# Altium PCB Mutiple_V1.PcbDoc (part 2 of 3) (continued)
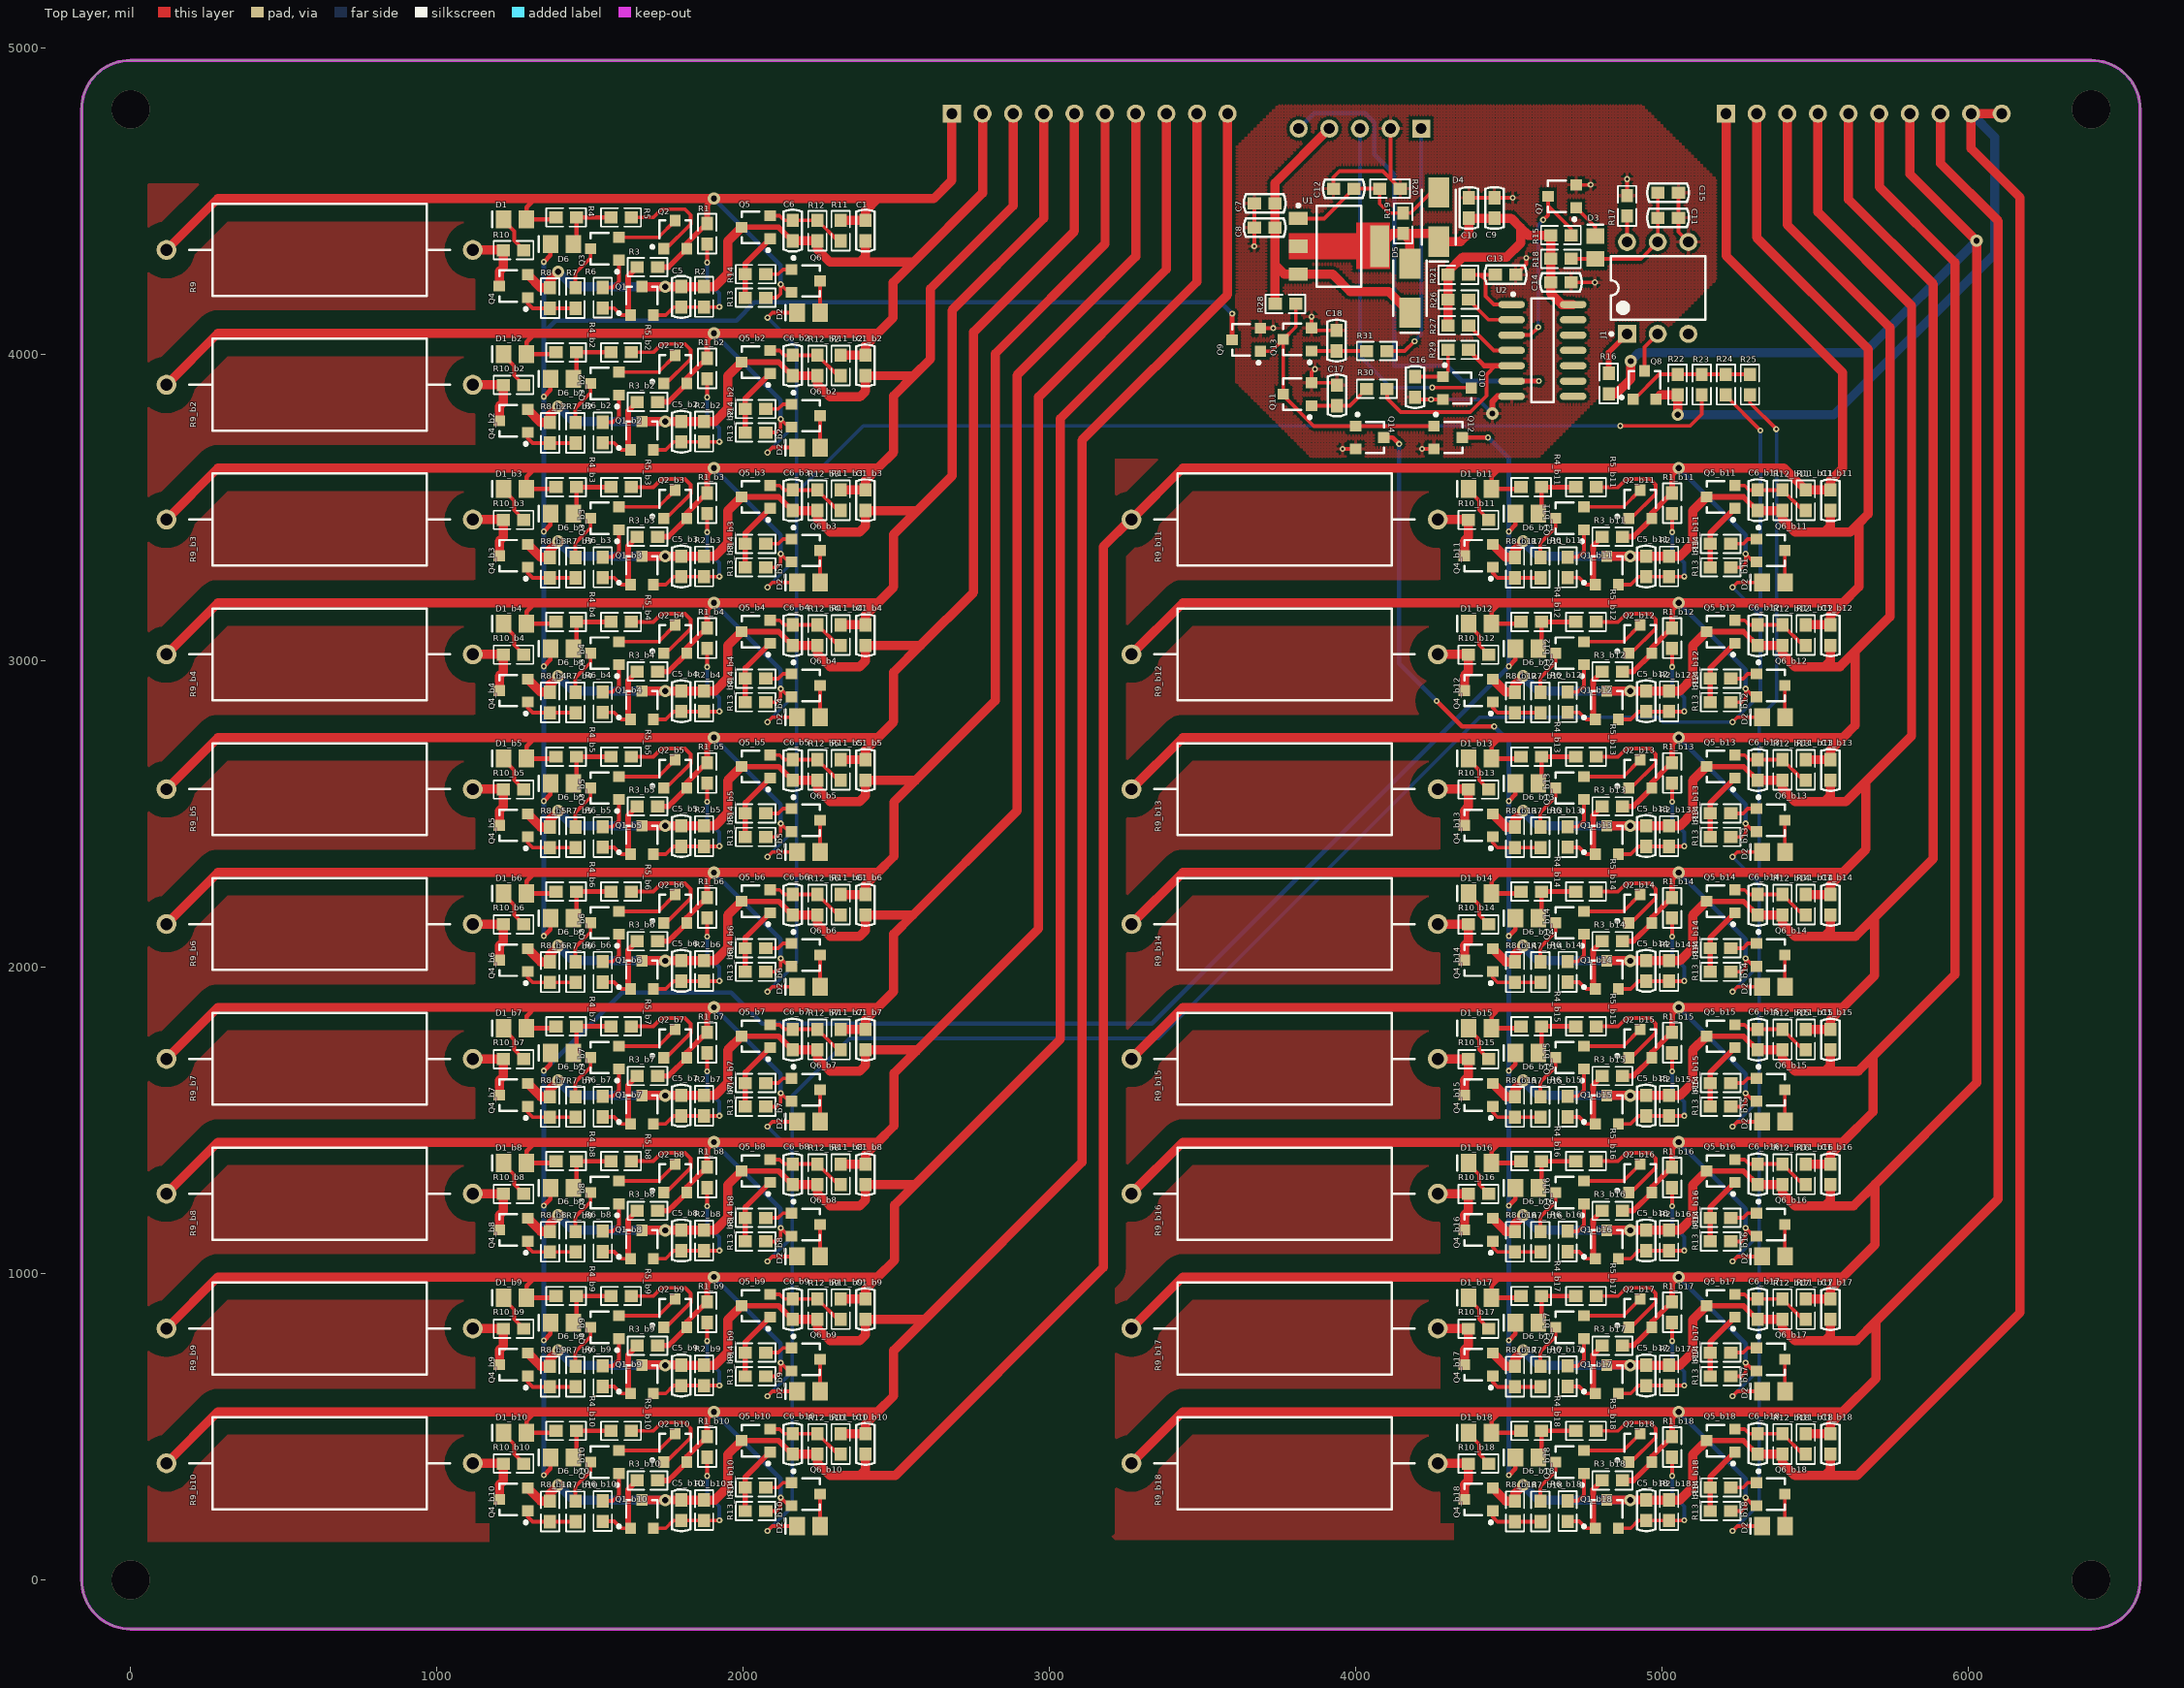
[diagram p0: Top Layer view]
## Nets (pads, with @x,y where several pads share a name; then routed paths per layer and width w, separated by ;. In a path a pad name is that pad's centre, name@x,y a point inside that pad or via, vN(x,y) a via of type N, cw(c..) or ccw(c..) an arc to the next point about the centre after c; other vN are vias at no path point) (continued)
  Top Layer w15: 1321,549 1292.4,520.4 D1_b10.1@1292.4,481 1382.54,481 R4_b10.1@1388.54,487
  Top Layer w18: Q1_b9.3@1669,701.26 v2@1745,701.26 ; R3_b10.2@1720.46,325 1755.66,325 Q2_b10.2@1815.4,384.74 1815.4,402.15 1880.72,467.46 R1_b10.2@1882,467.46 1882,527 v2(1904,549) ; Q5_b9.3@1994.74,895 2115.26,895 2159.72,850.54 C6_b9.1@2161,850.54
  Top Layer w30: R9_b10.2@117,381 285,549 1321,549 v2(1904,549) 2439,549 ; Q4_b9.2@1296.26,740.4 1339.2,697.46 R8_b9.1@1369,697.46 1369,723 v2(1396,750) ; Q1_b9.3@1669,701.26 1669.2,701.46 C5_b9.1@1798,701.46 1798.2,701.26 1907.33,701.26 1949,742.93 1949,849.26 Q5_b9.3@1994.74,895 ; C6_b9.1@2161,850.54 R12_b9.1@2242,850.54 2242,822 2283,781 2380,781 2399,800 C1_b9.1@2399,850.54 2592.54,850.54 ; R11_b10.2@2318,477.46 C1_b10.2@2399,477.46 2399,509 2439,549 ; P1.10@3581,4786 3581,4195.21 3105.4,3719.6 3105.4,1363.4 2592.54,850.54 ; 2439,549 2491,601 2491,749 2592.54,850.54
  Bottom Layer w15: v2(1904,549) 2122,331 v1(2122,269)
  Bottom Layer w18: v2@1740,701.26 1745.26,701.26 v2(1745,701)
  Bottom Layer w30: v2(1396,750) 1444.74,701.26 1739.74,701.26 v2@1740,701
IN_A10: C1_b10.1 C1_b11.2 C5_b10.1 C6_b10.1 D1_b11.1 P2.1 Q1_b10.3 Q2_b11.2 Q4_b10.2 Q5_b10.3 Q6_b11.2 R1_b11.2 R2_b10.1 R3_b11.2 R4_b11.1 R8_b10.1 R9_b11.2 R11_b11.2 R12_b10.1 R13_b11.2 | length 9939.2
  Top Layer w12: R13_b11.2@5223.46,3305 5259,3305 5272,3318 v1(5272,3349) 5298.4,3322.6 Q6_b11.2@5307.74,3322.6
  Top Layer w15: 4471,3629 4442.4,3600.4 D1_b11.1@4442.4,3561 4532.54,3561 R4_b11.1@4538.54,3567
  Top Layer w18: Q1_b10.3@1669,261.26 v2@1745,261.26 ; Q5_b10.3@1994.74,455 2115.26,455 2159.72,410.54 C6_b10.1@2161,410.54 ; R3_b11.2@4870.46,3405 4905.66,3405 Q2_b11.2@4965.4,3464.74 4965.4,3482.15 5030.72,3547.46 R1_b11.2@5032,3547.46 5032,3607 v2(5054,3629)
  Top Layer w30: Q4_b10.2@1296.26,300.4 1339.2,257.46 R8_b10.1@1369,257.46 1369,283 v2(1396,310) ; Q1_b10.3@1669,261.26 1669.2,261.46 C5_b10.1@1798,261.46 1798.2,261.26 1907.33,261.26 1949,302.93 1949,409.26 Q5_b10.3@1994.74,455 ; C6_b10.1@2161,410.54 R12_b10.1@2242,410.54 2242,382 2283,341 2380,341 ; C1_b10.1@2399,410.54 2399,360 2380,341 ; P2.1@5208,4786 5208,4322 5589,3941 5589,3629 5549,3589 C1_b11.2@5549,3557.46 R11_b11.2@5468,3557.46 5468,3558.16 5397.16,3629 v2(5054,3629) 4471,3629 3435,3629 R9_b11.2@3267,3461 3263,3461 3175,3373 3175,1020 2496,341 2380,341
  Bottom Layer w15: v2(5054,3629) 5272,3411 v1(5272,3349)
  Bottom Layer w18: v2@1740,261.26 1745.26,261.26 v2(1745,261)
  Bottom Layer w30: v2(1396,310) 1444.74,261.26 1739.74,261.26 v2@1740,261
IN_A11: C1_b11.1 C1_b12.2 C5_b11.1 C6_b11.1 D1_b12.1 P2.2 Q1_b11.3 Q2_b12.2 Q4_b11.2 Q5_b11.3 Q6_b12.2 R1_b12.2 R2_b11.1 R3_b12.2 R4_b12.1 R8_b11.1 R9_b12.2 R11_b12.2 R12_b11.1 R13_b12.2 | length 7063
  Top Layer w12: R13_b12.2@5223.46,2865 5259,2865 5272,2878 v1(5272,2909) 5298.4,2882.6 Q6_b12.2@5307.74,2882.6
  Top Layer w15: 4471,3189 4442.4,3160.4 D1_b12.1@4442.4,3121 4532.54,3121 R4_b12.1@4538.54,3127
  Top Layer w18: Q1_b11.3@4819,3341.26 v2@4895,3341.26 ; R3_b12.2@4870.46,2965 4905.66,2965 Q2_b12.2@4965.4,3024.74 4965.4,3042.15 5030.72,3107.46 R1_b12.2@5032,3107.46 5032,3167 v2(5054,3189) ; Q5_b11.3@5144.74,3535 5265.26,3535 5309.72,3490.54 C6_b11.1@5311,3490.54
  Top Layer w30: R9_b12.2@3267,3021 3435,3189 4471,3189 v2(5054,3189) 5589,3189 ; Q4_b11.2@4446.26,3380.4 4489.2,3337.46 R8_b11.1@4519,3337.46 4519,3363 v2(4546,3390) ; Q1_b11.3@4819,3341.26 4819.2,3341.46 C5_b11.1@4948,3341.46 4948.2,3341.26 5057.33,3341.26 5099,3382.93 5099,3489.26 Q5_b11.3@5144.74,3535 ; P2.2@5308,4786 5308,4381.63 5672.31,4017.31 5672.31,3479.31 5641.5,3448.5 ; C6_b11.1@5311,3490.54 R12_b11.1@5392,3490.54 5392,3462 5433,3421 5530,3421 ; R11_b12.2@5468,3117.46 C1_b12.2@5549,3117.46 5549,3149 5589,3189 ; C1_b11.1@5549,3490.54 5549,3440 5530,3421 ; 5530,3421 5614,3421 5641.5,3448.5 ; 5589,3189 5641.5,3241.5 5641.5,3448.5
  Bottom Layer w15: v2(5054,3189) 5272,2971 v1(5272,2909)
  Bottom Layer w18: v2@4890,3341.26 4895.26,3341.26 v2(4895,3341)
  Bottom Layer w30: v2(4546,3390) 4594.74,3341.26 4889.74,3341.26 v2@4890,3341
IN_A12: C1_b12.1 C1_b13.2 C5_b12.1 C6_b12.1 D1_b13.1 P2.3 Q1_b12.3 Q2_b13.2 Q4_b12.2 Q5_b12.3 Q6_b13.2 R1_b13.2 R2_b12.1 R3_b13.2 R4_b13.1 R8_b12.1 R9_b13.2 R11_b13.2 R12_b12.1 R13_b13.2 | length 7516.5
  Top Layer w12: R13_b13.2@5223.46,2425 5259,2425 5272,2438 v1(5272,2469) 5298.4,2442.6 Q6_b13.2@5307.74,2442.6
  Top Layer w15: 4471,2749 4442.4,2720.4 D1_b13.1@4442.4,2681 4532.54,2681 R4_b13.1@4538.54,2687
  Top Layer w18: Q1_b12.3@4819,2901.26 v2@4895,2901.26 ; R3_b13.2@4870.46,2525 4905.66,2525 Q2_b13.2@4965.4,2584.74 4965.4,2602.15 5030.72,2667.46 R1_b13.2@5032,2667.46 5032,2727 v2(5054,2749) ; Q5_b12.3@5144.74,3095 5265.26,3095 5309.72,3050.54 C6_b12.1@5311,3050.54
  Top Layer w30: R9_b13.2@3267,2581 3435,2749 4471,2749 v2(5054,2749) 5589,2749 ; Q4_b12.2@4446.26,2940.4 4489.2,2897.46 R8_b12.1@4519,2897.46 4519,2923 v2(4546,2950) ; Q1_b12.3@4819,2901.26 4819.2,2901.46 C5_b12.1@4948,2901.46 4948.2,2901.26 5057.33,2901.26 5099,2942.93 5099,3049.26 Q5_b12.3@5144.74,3095 ; C6_b12.1@5311,3050.54 R12_b12.1@5392,3050.54 5392,3022 5433,2981 5530,2981 ; P2.3@5408,4786 5408,4423.05 5743.03,4088.03 5743.03,3144.03 5629,3030 ; R11_b13.2@5468,2677.46 C1_b13.2@5549,2677.46 5549,2709 5589,2749 ; C1_b12.1@5549,3050.54 5549,3000 5530,2981 ; 5530,2981 5580,2981 5629,3030 ; 5589,2749 5629,2789 5629,3030
  Bottom Layer w15: v2(5054,2749) 5272,2531 v1(5272,2469)
  Bottom Layer w18: v2@4890,2901.26 4895.26,2901.26 v2(4895,2901)
  Bottom Layer w30: v2(4546,2950) 4594.74,2901.26 4889.74,2901.26 v2@4890,2901
IN_A13: C1_b13.1 C1_b14.2 C5_b13.1 C6_b13.1 D1_b14.1 P2.4 Q1_b13.3 Q2_b14.2 Q4_b13.2 Q5_b13.3 Q6_b14.2 R1_b14.2 R2_b13.1 R3_b14.2 R4_b14.1 R8_b13.1 R9_b14.2 R11_b14.2 R12_b13.1 R13_b14.2 | length 8016.3
  Top Layer w12: R13_b14.2@5223.46,1985 5259,1985 5272,1998 v1(5272,2029) 5298.4,2002.6 Q6_b14.2@5307.74,2002.6
  Top Layer w15: 4471,2309 4442.4,2280.4 D1_b14.1@4442.4,2241 4532.54,2241 R4_b14.1@4538.54,2247
  Top Layer w18: Q1_b13.3@4819,2461.26 v2@4895,2461.26 ; R3_b14.2@4870.46,2085 4905.66,2085 Q2_b14.2@4965.4,2144.74 4965.4,2162.15 5030.72,2227.46 R1_b14.2@5032,2227.46 5032,2287 v2(5054,2309) ; Q5_b13.3@5144.74,2655 5265.26,2655 5309.72,2610.54 C6_b13.1@5311,2610.54
  Top Layer w30: R9_b14.2@3267,2141 3435,2309 4471,2309 v2(5054,2309) 5589,2309 ; Q4_b13.2@4446.26,2500.4 4489.2,2457.46 R8_b13.1@4519,2457.46 4519,2483 v2(4546,2510) ; Q1_b13.3@4819,2461.26 4819.2,2461.46 C5_b13.1@4948,2461.46 4948.2,2461.26 5057.33,2461.26 5099,2502.93 5099,2609.26 Q5_b13.3@5144.74,2655 ; C6_b13.1@5311,2610.54 R12_b13.1@5392,2610.54 5392,2582 5433,2541 5530,2541 ; R11_b14.2@5468,2237.46 C1_b14.2@5549,2237.46 5549,2269 5589,2309 ; P2.4@5508,4786 5508,4464.47 5813.74,4158.74 5813.74,2754.74 5665,2606 ; C1_b13.1@5549,2610.54 5549,2560 5530,2541 ; 5530,2541 5600,2541 5665,2606 ; 5589,2309 5665,2385 5665,2606
  Bottom Layer w15: v2(5054,2309) 5272,2091 v1(5272,2029)
  Bottom Layer w18: v2@4890,2461.26 4895.26,2461.26 v2(4895,2461)
  Bottom Layer w30: v2(4546,2510) 4594.74,2461.26 4889.74,2461.26 v2@4890,2461
IN_A14: C1_b14.1 C1_b15.2 C5_b14.1 C6_b14.1 D1_b15.1 P2.5 Q1_b14.3 Q2_b15.2 Q4_b14.2 Q5_b14.3 Q6_b15.2 R1_b15.2 R2_b14.1 R3_b15.2 R4_b15.1 R8_b14.1 R9_b15.2 R11_b15.2 R12_b14.1 R13_b15.2 | length 8498.8
  Top Layer w12: R13_b15.2@5223.46,1545 5259,1545 5272,1558 v1(5272,1589) 5298.4,1562.6 Q6_b15.2@5307.74,1562.6
  Top Layer w15: 4471,1869 4442.4,1840.4 D1_b15.1@4442.4,1801 4532.54,1801 R4_b15.1@4538.54,1807
  Top Layer w18: Q1_b14.3@4819,2021.26 v2@4895,2021.26 ; R3_b15.2@4870.46,1645 4905.66,1645 Q2_b15.2@4965.4,1704.74 4965.4,1722.15 5030.72,1787.46 R1_b15.2@5032,1787.46 5032,1847 v2(5054,1869) ; Q5_b14.3@5144.74,2215 5265.26,2215 5309.72,2170.54 C6_b14.1@5311,2170.54
  Top Layer w30: R9_b15.2@3267,1701 3435,1869 4471,1869 v2(5054,1869) 5589,1869 ; Q4_b14.2@4446.26,2060.4 4489.2,2017.46 R8_b14.1@4519,2017.46 4519,2043 v2(4546,2070) ; Q1_b14.3@4819,2021.26 4819.2,2021.46 C5_b14.1@4948,2021.46 4948.2,2021.26 5057.33,2021.26 5099,2062.93 5099,2169.26 Q5_b14.3@5144.74,2215 ; C6_b14.1@5311,2170.54 R12_b14.1@5392,2170.54 5392,2142 5433,2101 5530,2101 ; R11_b15.2@5468,1797.46 C1_b15.2@5549,1797.46 5549,1829 5589,1869 ; C1_b14.1@5549,2170.54 5549,2120 5530,2101 ; P2.5@5608,4786 5608,4505.89 5884.45,4229.45 5884.45,2354.45 5692,2162 ; 5530,2101 5631,2101 5692,2162 ; 5589,1869 5692,1972 5692,2162
  Bottom Layer w15: v2(5054,1869) 5272,1651 v1(5272,1589)
  Bottom Layer w18: v2@4890,2021.26 4895.26,2021.26 v2(4895,2021)
  Bottom Layer w30: v2(4546,2070) 4594.74,2021.26 4889.74,2021.26 v2@4890,2021
IN_A15: C1_b15.1 C1_b16.2 C5_b15.1 C6_b15.1 D1_b16.1 P2.6 Q1_b15.3 Q2_b16.2 Q4_b15.2 Q5_b15.3 Q6_b16.2 R1_b16.2 R2_b15.1 R3_b16.2 R4_b16.1 R8_b15.1 R9_b16.2 R11_b16.2 R12_b15.1 R13_b16.2 | length 8946.6
  Top Layer w12: R13_b16.2@5223.46,1105 5259,1105 5272,1118 v1(5272,1149) 5298.4,1122.6 Q6_b16.2@5307.74,1122.6
  Top Layer w15: 4471,1429 4442.4,1400.4 D1_b16.1@4442.4,1361 4532.54,1361 R4_b16.1@4538.54,1367
  Top Layer w18: Q1_b15.3@4819,1581.26 v2@4895,1581.26 ; R3_b16.2@4870.46,1205 4905.66,1205 Q2_b16.2@4965.4,1264.74 4965.4,1282.15 5030.72,1347.46 R1_b16.2@5032,1347.46 5032,1407 v2(5054,1429) ; Q5_b15.3@5144.74,1775 5265.26,1775 5309.72,1730.54 C6_b15.1@5311,1730.54
  Top Layer w30: R9_b16.2@3267,1261 3435,1429 4471,1429 v2(5054,1429) 5589,1429 ; Q4_b15.2@4446.26,1620.4 4489.2,1577.46 R8_b15.1@4519,1577.46 4519,1603 v2(4546,1630) ; Q1_b15.3@4819,1581.26 4819.2,1581.46 C5_b15.1@4948,1581.46 4948.2,1581.26 5057.33,1581.26 5099,1622.93 5099,1729.26 Q5_b15.3@5144.74,1775 ; C6_b15.1@5311,1730.54 R12_b15.1@5392,1730.54 5392,1702 5433,1661 5530,1661 ; R11_b16.2@5468,1357.46 C1_b16.2@5549,1357.46 5549,1389 5589,1429 ; C1_b15.1@5549,1730.54 5549,1680 5530,1661 ; P2.6@5708,4786 5708,4547.31 5955.16,4300.16 5955.16,1976.16 5688,1709 ; 5530,1661 5640,1661 5688,1709 ; 5589,1429 5688,1528 5688,1709
  Bottom Layer w15: v2(5054,1429) 5272,1211 v1(5272,1149)
  Bottom Layer w18: v2@4890,1581.26 4895.26,1581.26 v2(4895,1581)
  Bottom Layer w30: v2(4546,1630) 4594.74,1581.26 4889.74,1581.26 v2@4890,1581
IN_A16: C1_b16.1 C1_b17.2 C5_b16.1 C6_b16.1 D1_b17.1 P2.7 Q1_b16.3 Q2_b17.2 Q4_b16.2 Q5_b16.3 Q6_b17.2 R1_b17.2 R2_b16.1 R3_b17.2 R4_b17.1 R8_b16.1 R9_b17.2 R11_b17.2 R12_b16.1 R13_b17.2 R16.1 | length 10861.9
  Top Layer w12: R13_b17.2@5223.46,665 5259,665 5272,678 v1(5272,709) 5298.4,682.6 Q6_b17.2@5307.74,682.6
  Top Layer w15: 4471,989 4442.4,960.4 D1_b17.1@4442.4,921 4532.54,921 R4_b17.1@4538.54,927
  Top Layer w18: Q1_b16.3@4819,1141.26 v2@4895,1141.26 ; R3_b17.2@4870.46,765 4905.66,765 Q2_b17.2@4965.4,824.74 4965.4,842.15 5030.72,907.46 R1_b17.2@5032,907.46 5032,967 v2(5054,989) ; Q5_b16.3@5144.74,1335 5265.26,1335 5309.72,1290.54 C6_b16.1@5311,1290.54
  Top Layer w30: R9_b17.2@3267,821 3435,989 4471,989 v2(5054,989) 5589,989 ; Q4_b16.2@4446.26,1180.4 4489.2,1137.46 R8_b16.1@4519,1137.46 4519,1163 v2(4546,1190) ; Q1_b16.3@4819,1141.26 4819.2,1141.46 C5_b16.1@4948,1141.46 4948.2,1141.26 5057.33,1141.26 5099,1182.93 5099,1289.26 Q5_b16.3@5144.74,1335 ; R16.1@4825,3871.54 4848.54,3871.54 4897,3920 v2(4897,3978) ; C6_b16.1@5311,1290.54 R12_b16.1@5392,1290.54 5392,1262 5433,1221 5530,1221 ; R11_b17.2@5468,917.46 C1_b17.2@5549,917.46 5549,949 5589,989 ; C1_b16.1@5549,1290.54 5549,1240 5530,1221 ; P2.7@5808,4786 5808,4588.74 v2(6025.87,4370.87) 6025.87,1622.87 5695,1292 ; 5530,1221 5624,1221 5695,1292 ; 5589,989 5695,1095 5695,1292
  Bottom Layer w15: v2(5054,989) 5272,771 v1(5272,709)
  Bottom Layer w18: v2@4890,1141.26 4895.26,1141.26 v2(4895,1141)
  Bottom Layer w30: v2(4546,1190) 4594.74,1141.26 4889.74,1141.26 v2@4890,1141 ; v2(4897,3978) 4925,4006 5661,4006 v2(6025.87,4370.87)
IN_A17: C1_b17.1 C1_b18.2 C5_b17.1 C6_b17.1 D1_b18.1 P2.8 Q1_b17.3 Q2_b18.2 Q4_b17.2 Q5_b17.3 Q6_b18.2 R1_b18.2 R2_b17.1 R3_b18.2 R4_b18.1 R8_b17.1 R9_b18.2 R11_b18.2 R12_b17.1 R13_b18.2 | length 9877.5
  Top Layer w12: R13_b18.2@5223.46,225 5259,225 5272,238 v1(5272,269) 5298.4,242.6 Q6_b18.2@5307.74,242.6
  Top Layer w15: 4471,549 4442.4,520.4 D1_b18.1@4442.4,481 4532.54,481 R4_b18.1@4538.54,487
  Top Layer w18: Q1_b17.3@4819,701.26 v2@4895,701.26 ; R3_b18.2@4870.46,325 4905.66,325 Q2_b18.2@4965.4,384.74 4965.4,402.15 5030.72,467.46 R1_b18.2@5032,467.46 5032,527 v2(5054,549) ; Q5_b17.3@5144.74,895 5265.26,895 5309.72,850.54 C6_b17.1@5311,850.54
  Top Layer w30: R9_b18.2@3267,381 3435,549 4471,549 v2(5054,549) 5589,549 ; Q4_b17.2@4446.26,740.4 4489.2,697.46 R8_b17.1@4519,697.46 4519,723 v2(4546,750) ; Q1_b17.3@4819,701.26 4819.2,701.46 C5_b17.1@4948,701.46 4948.2,701.26 5057.33,701.26 5099,742.93 5099,849.26 Q5_b17.3@5144.74,895 ; C6_b17.1@5311,850.54 R12_b17.1@5392,850.54 5392,822 5433,781 5530,781 ; R11_b18.2@5468,477.46 C1_b18.2@5549,477.46 5549,509 5589,549 ; C1_b17.1@5549,850.54 5549,800 5530,781 ; P2.8@5908,4786 5908,4623.58 6096.58,4435 6096.58,1243.58 5698,845 ; 5530,781 5634,781 5698,845 ; 5589,549 5698,658 5698,845
  Bottom Layer w15: v2(5054,549) 5272,331 v1(5272,269)
  Bottom Layer w18: v2@4890,701.26 4895.26,701.26 v2(4895,701)
  Bottom Layer w30: v2(4546,750) 4594.74,701.26 4889.74,701.26 v2@4890,701
IN_B17: C1_b18.1 C5_b18.1 C6_b18.1 P2.9 P2.10 Q1_b18.3 Q4_b18.2 Q5_b18.3 Q8.2 R2_b18.1 R8_b18.1 R12_b18.1 R22.1 | length 8416.1
  Top Layer w18: Q1_b18.3@4819,261.26 v2@4895,261.26 ; Q5_b18.3@5144.74,455 5265.26,455 5309.72,410.54 C6_b18.1@5311,410.54
  Top Layer w30: Q4_b18.2@4446.26,300.4 4489.2,257.46 R8_b18.1@4519,257.46 4519,283 v2(4546,310) ; Q1_b18.3@4819,261.26 4819.2,261.46 C5_b18.1@4948,261.46 4948.2,261.26 5057.33,261.26 5099,302.93 5099,409.26 Q5_b18.3@5144.74,455 ; Q8.2@4979.4,3853.74 4993.66,3868 R22.1@5050,3868 v2(5050,3803) ; C6_b18.1@5311,410.54 R12_b18.1@5392,410.54 5392,382 5433,341 5530,341 ; C1_b18.1@5549,410.54 5549,360 5530,341 ; P2.10@6108,4786 P2.9@6008,4786 6008,4671.58 6167.29,4512.29 6167.29,872.29 5636,341 5530,341
  Bottom Layer w18: v2@4890,261.26 4895.26,261.26 v2(4895,261)
  Bottom Layer w30: v2(4546,310) 4594.74,261.26 4889.74,261.26 v2@4890,261 ; v2(5050,3803) 5560,3803 6085,4328 6085,4709 P2.9@6008,4786
LED: P3.5 U2.6 | length 1682.5
  Top Layer w15: U2.6@4508,3913 v1(4597,3913)
  Bottom Layer w15: P3.5@3813,4737 3863,4787 4029.51,4787 4060.03,4756.48 4060.03,4652.97 4125,4588 4125,3963 4298,3963 4348,3913 v1(4597,3913)
NetC5_2: C5.2 Q1.2 R1.1 R2.2 | length 448.6
  Top Layer w12: Q1.2@1706.4,4128.74 1746.74,4128.74 1772.54,4154.54 C5.2@1798,4154.54 R2.2@1872,4154.54 1921.54,4154.54 v1(1922,4155) ; v1(1882,4300) R1.1@1882,4360.54
  Bottom Layer w12: v1(1882,4300) 1882,4240 1922,4200 v1(1922,4155)
NetC5_b2_2: C5_b2.2 Q1_b2.2 R1_b2.1 R2_b2.2 | length 448.6
  Top Layer w12: Q1_b2.2@1706.4,3688.74 1746.74,3688.74 1772.54,3714.54 C5_b2.2@1798,3714.54 R2_b2.2@1872,3714.54 1921.54,3714.54 v1(1922,3715) ; v1(1882,3860) R1_b2.1@1882,3920.54
  Bottom Layer w12: v1(1882,3860) 1882,3800 1922,3760 v1(1922,3715)
NetC5_b3_2: C5_b3.2 Q1_b3.2 R1_b3.1 R2_b3.2 | length 448.6
  Top Layer w12: Q1_b3.2@1706.4,3248.74 1746.74,3248.74 1772.54,3274.54 C5_b3.2@1798,3274.54 R2_b3.2@1872,3274.54 1921.54,3274.54 v1(1922,3275) ; v1(1882,3420) R1_b3.1@1882,3480.54
  Bottom Layer w12: v1(1882,3420) 1882,3360 1922,3320 v1(1922,3275)
NetC5_b4_2: C5_b4.2 Q1_b4.2 R1_b4.1 R2_b4.2 | length 448.6
  Top Layer w12: Q1_b4.2@1706.4,2808.74 1746.74,2808.74 1772.54,2834.54 C5_b4.2@1798,2834.54 R2_b4.2@1872,2834.54 1921.54,2834.54 v1(1922,2835) ; v1(1882,2980) R1_b4.1@1882,3040.54
  Bottom Layer w12: v1(1882,2980) 1882,2920 1922,2880 v1(1922,2835)
NetC5_b5_2: C5_b5.2 Q1_b5.2 R1_b5.1 R2_b5.2 | length 448.6
  Top Layer w12: Q1_b5.2@1706.4,2368.74 1746.74,2368.74 1772.54,2394.54 C5_b5.2@1798,2394.54 R2_b5.2@1872,2394.54 1921.54,2394.54 v1(1922,2395) ; v1(1882,2540) R1_b5.1@1882,2600.54
  Bottom Layer w12: v1(1882,2540) 1882,2480 1922,2440 v1(1922,2395)
NetC5_b6_2: C5_b6.2 Q1_b6.2 R1_b6.1 R2_b6.2 | length 448.6
  Top Layer w12: Q1_b6.2@1706.4,1928.74 1746.74,1928.74 1772.54,1954.54 C5_b6.2@1798,1954.54 R2_b6.2@1872,1954.54 1921.54,1954.54 v1(1922,1955) ; v1(1882,2100) R1_b6.1@1882,2160.54
  Bottom Layer w12: v1(1882,2100) 1882,2040 1922,2000 v1(1922,1955)
NetC5_b7_2: C5_b7.2 Q1_b7.2 R1_b7.1 R2_b7.2 | length 448.6
  Top Layer w12: Q1_b7.2@1706.4,1488.74 1746.74,1488.74 1772.54,1514.54 C5_b7.2@1798,1514.54 R2_b7.2@1872,1514.54 1921.54,1514.54 v1(1922,1515) ; v1(1882,1660) R1_b7.1@1882,1720.54
  Bottom Layer w12: v1(1882,1660) 1882,1600 1922,1560 v1(1922,1515)
NetC5_b8_2: C5_b8.2 Q1_b8.2 R1_b8.1 R2_b8.2 | length 448.6
  Top Layer w12: Q1_b8.2@1706.4,1048.74 1746.74,1048.74 1772.54,1074.54 C5_b8.2@1798,1074.54 R2_b8.2@1872,1074.54 1921.54,1074.54 v1(1922,1075) ; v1(1882,1220) R1_b8.1@1882,1280.54
  Bottom Layer w12: v1(1882,1220) 1882,1160 1922,1120 v1(1922,1075)
NetC5_b9_2: C5_b9.2 Q1_b9.2 R1_b9.1 R2_b9.2 | length 448.6
  Top Layer w12: Q1_b9.2@1706.4,608.74 1746.74,608.74 1772.54,634.54 C5_b9.2@1798,634.54 R2_b9.2@1872,634.54 1921.54,634.54 v1(1922,635) ; v1(1882,780) R1_b9.1@1882,840.54
  Bottom Layer w12: v1(1882,780) 1882,720 1922,680 v1(1922,635)
NetC5_b10_2: C5_b10.2 Q1_b10.2 R1_b10.1 R2_b10.2 | length 448.6
  Top Layer w12: Q1_b10.2@1706.4,168.74 1746.74,168.74 1772.54,194.54 C5_b10.2@1798,194.54 R2_b10.2@1872,194.54 1921.54,194.54 v1(1922,195) ; v1(1882,340) R1_b10.1@1882,400.54
  Bottom Layer w12: v1(1882,340) 1882,280 1922,240 v1(1922,195)
NetC5_b11_2: C5_b11.2 Q1_b11.2 R1_b11.1 R2_b11.2 | length 448.6
  Top Layer w12: Q1_b11.2@4856.4,3248.74 4896.74,3248.74 4922.54,3274.54 C5_b11.2@4948,3274.54 R2_b11.2@5022,3274.54 5071.54,3274.54 v1(5072,3275) ; v1(5032,3420) R1_b11.1@5032,3480.54
  Bottom Layer w12: v1(5032,3420) 5032,3360 5072,3320 v1(5072,3275)
NetC5_b12_2: C5_b12.2 Q1_b12.2 R1_b12.1 R2_b12.2 | length 448.6
  Top Layer w12: Q1_b12.2@4856.4,2808.74 4896.74,2808.74 4922.54,2834.54 C5_b12.2@4948,2834.54 R2_b12.2@5022,2834.54 5071.54,2834.54 v1(5072,2835) ; v1(5032,2980) R1_b12.1@5032,3040.54
  Bottom Layer w12: v1(5032,2980) 5032,2920 5072,2880 v1(5072,2835)
NetC5_b13_2: C5_b13.2 Q1_b13.2 R1_b13.1 R2_b13.2 | length 448.6
  Top Layer w12: Q1_b13.2@4856.4,2368.74 4896.74,2368.74 4922.54,2394.54 C5_b13.2@4948,2394.54 R2_b13.2@5022,2394.54 5071.54,2394.54 v1(5072,2395) ; v1(5032,2540) R1_b13.1@5032,2600.54
  Bottom Layer w12: v1(5032,2540) 5032,2480 5072,2440 v1(5072,2395)
NetC5_b14_2: C5_b14.2 Q1_b14.2 R1_b14.1 R2_b14.2 | length 448.6
  Top Layer w12: Q1_b14.2@4856.4,1928.74 4896.74,1928.74 4922.54,1954.54 C5_b14.2@4948,1954.54 R2_b14.2@5022,1954.54 5071.54,1954.54 v1(5072,1955) ; v1(5032,2100) R1_b14.1@5032,2160.54
  Bottom Layer w12: v1(5032,2100) 5032,2040 5072,2000 v1(5072,1955)
NetC5_b15_2: C5_b15.2 Q1_b15.2 R1_b15.1 R2_b15.2 | length 448.6
  Top Layer w12: Q1_b15.2@4856.4,1488.74 4896.74,1488.74 4922.54,1514.54 C5_b15.2@4948,1514.54 R2_b15.2@5022,1514.54 5071.54,1514.54 v1(5072,1515) ; v1(5032,1660) R1_b15.1@5032,1720.54
  Bottom Layer w12: v1(5032,1660) 5032,1600 5072,1560 v1(5072,1515)
NetC5_b16_2: C5_b16.2 Q1_b16.2 R1_b16.1 R2_b16.2 | length 448.6
  Top Layer w12: Q1_b16.2@4856.4,1048.74 4896.74,1048.74 4922.54,1074.54 C5_b16.2@4948,1074.54 R2_b16.2@5022,1074.54 5071.54,1074.54 v1(5072,1075) ; v1(5032,1220) R1_b16.1@5032,1280.54
  Bottom Layer w12: v1(5032,1220) 5032,1160 5072,1120 v1(5072,1075)
NetC5_b17_2: C5_b17.2 Q1_b17.2 R1_b17.1 R2_b17.2 | length 448.6
  Top Layer w12: Q1_b17.2@4856.4,608.74 4896.74,608.74 4922.54,634.54 C5_b17.2@4948,634.54 R2_b17.2@5022,634.54 5071.54,634.54 v1(5072,635) ; v1(5032,780) R1_b17.1@5032,840.54
  Bottom Layer w12: v1(5032,780) 5032,720 5072,680 v1(5072,635)
NetC5_b18_2: C5_b18.2 Q1_b18.2 R1_b18.1 R2_b18.2 | length 448.6
  Top Layer w12: Q1_b18.2@4856.4,168.74 4896.74,168.74 4922.54,194.54 C5_b18.2@4948,194.54 R2_b18.2@5022,194.54 5071.54,194.54 v1(5072,195) ; v1(5032,340) R1_b18.1@5032,400.54
  Bottom Layer w12: v1(5032,340) 5032,280 5072,240 v1(5072,195)
NetC6_2: C6.2 Q5.2 R11.1 R12.2 | length 264.7
  Top Layer w12: Q5.2@2087.26,4452.4 2118.6,4452.4 2133.54,4437.46 C6.2@2161,4437.46 R12.2@2242,4437.46 2308.93,4370.54 R11.1@2318,4370.54
NetC6_b2_2: C6_b2.2 Q5_b2.2 R11_b2.1 R12_b2.2 | length 264.7
  Top Layer w12: Q5_b2.2@2087.26,4012.4 2118.6,4012.4 2133.54,3997.46 C6_b2.2@2161,3997.46 R12_b2.2@2242,3997.46 2308.93,3930.54 R11_b2.1@2318,3930.54
NetC6_b3_2: C6_b3.2 Q5_b3.2 R11_b3.1 R12_b3.2 | length 264.7
  Top Layer w12: Q5_b3.2@2087.26,3572.4 2118.6,3572.4 2133.54,3557.46 C6_b3.2@2161,3557.46 R12_b3.2@2242,3557.46 2308.93,3490.54 R11_b3.1@2318,3490.54
NetC6_b4_2: C6_b4.2 Q5_b4.2 R11_b4.1 R12_b4.2 | length 264.7
  Top Layer w12: Q5_b4.2@2087.26,3132.4 2118.6,3132.4 2133.54,3117.46 C6_b4.2@2161,3117.46 R12_b4.2@2242,3117.46 2308.93,3050.54 R11_b4.1@2318,3050.54
NetC6_b5_2: C6_b5.2 Q5_b5.2 R11_b5.1 R12_b5.2 | length 264.7
  Top Layer w12: Q5_b5.2@2087.26,2692.4 2118.6,2692.4 2133.54,2677.46 C6_b5.2@2161,2677.46 R12_b5.2@2242,2677.46 2308.93,2610.54 R11_b5.1@2318,2610.54
NetC6_b6_2: C6_b6.2 Q5_b6.2 R11_b6.1 R12_b6.2 | length 264.7
  Top Layer w12: Q5_b6.2@2087.26,2252.4 2118.6,2252.4 2133.54,2237.46 C6_b6.2@2161,2237.46 R12_b6.2@2242,2237.46 2308.93,2170.54 R11_b6.1@2318,2170.54
NetC6_b7_2: C6_b7.2 Q5_b7.2 R11_b7.1 R12_b7.2 | length 264.7
  Top Layer w12: Q5_b7.2@2087.26,1812.4 2118.6,1812.4 2133.54,1797.46 C6_b7.2@2161,1797.46 R12_b7.2@2242,1797.46 2308.93,1730.54 R11_b7.1@2318,1730.54
NetC6_b8_2: C6_b8.2 Q5_b8.2 R11_b8.1 R12_b8.2 | length 264.7
  Top Layer w12: Q5_b8.2@2087.26,1372.4 2118.6,1372.4 2133.54,1357.46 C6_b8.2@2161,1357.46 R12_b8.2@2242,1357.46 2308.93,1290.54 R11_b8.1@2318,1290.54
NetC6_b9_2: C6_b9.2 Q5_b9.2 R11_b9.1 R12_b9.2 | length 264.7
  Top Layer w12: Q5_b9.2@2087.26,932.4 2118.6,932.4 2133.54,917.46 C6_b9.2@2161,917.46 R12_b9.2@2242,917.46 2308.93,850.54 R11_b9.1@2318,850.54
NetC6_b10_2: C6_b10.2 Q5_b10.2 R11_b10.1 R12_b10.2 | length 264.7
  Top Layer w12: Q5_b10.2@2087.26,492.4 2118.6,492.4 2133.54,477.46 C6_b10.2@2161,477.46 R12_b10.2@2242,477.46 2308.93,410.54 R11_b10.1@2318,410.54
NetC6_b11_2: C6_b11.2 Q5_b11.2 R11_b11.1 R12_b11.2 | length 264.7
  Top Layer w12: Q5_b11.2@5237.26,3572.4 5268.6,3572.4 5283.54,3557.46 C6_b11.2@5311,3557.46 R12_b11.2@5392,3557.46 5458.93,3490.54 R11_b11.1@5468,3490.54
NetC6_b12_2: C6_b12.2 Q5_b12.2 R11_b12.1 R12_b12.2 | length 264.7
  Top Layer w12: Q5_b12.2@5237.26,3132.4 5268.6,3132.4 5283.54,3117.46 C6_b12.2@5311,3117.46 R12_b12.2@5392,3117.46 5458.93,3050.54 R11_b12.1@5468,3050.54
NetC6_b13_2: C6_b13.2 Q5_b13.2 R11_b13.1 R12_b13.2 | length 264.7
  Top Layer w12: Q5_b13.2@5237.26,2692.4 5268.6,2692.4 5283.54,2677.46 C6_b13.2@5311,2677.46 R12_b13.2@5392,2677.46 5458.93,2610.54 R11_b13.1@5468,2610.54
NetC6_b14_2: C6_b14.2 Q5_b14.2 R11_b14.1 R12_b14.2 | length 264.7
  Top Layer w12: Q5_b14.2@5237.26,2252.4 5268.6,2252.4 5283.54,2237.46 C6_b14.2@5311,2237.46 R12_b14.2@5392,2237.46 5458.93,2170.54 R11_b14.1@5468,2170.54
NetC6_b15_2: C6_b15.2 Q5_b15.2 R11_b15.1 R12_b15.2 | length 264.7
  Top Layer w12: Q5_b15.2@5237.26,1812.4 5268.6,1812.4 5283.54,1797.46 C6_b15.2@5311,1797.46 R12_b15.2@5392,1797.46 5458.93,1730.54 R11_b15.1@5468,1730.54
NetC6_b16_2: C6_b16.2 Q5_b16.2 R11_b16.1 R12_b16.2 | length 264.7
  Top Layer w12: Q5_b16.2@5237.26,1372.4 5268.6,1372.4 5283.54,1357.46 C6_b16.2@5311,1357.46 R12_b16.2@5392,1357.46 5458.93,1290.54 R11_b16.1@5468,1290.54
NetC6_b17_2: C6_b17.2 Q5_b17.2 R11_b17.1 R12_b17.2 | length 264.7
  Top Layer w12: Q5_b17.2@5237.26,932.4 5268.6,932.4 5283.54,917.46 C6_b17.2@5311,917.46 R12_b17.2@5392,917.46 5458.93,850.54 R11_b17.1@5468,850.54
NetC6_b18_2: C6_b18.2 Q5_b18.2 R11_b18.1 R12_b18.2 | length 264.7
  Top Layer w12: Q5_b18.2@5237.26,492.4 5268.6,492.4 5283.54,477.46 C6_b18.2@5311,477.46 R12_b18.2@5392,477.46 5458.93,410.54 R11_b18.1@5468,410.54
NetC11_2: C11.2 C15.1 D3.1 J1.5 R18.1 | length 466.5
  Top Layer w12: R18.1@4702.46,4312 4930,4312 J1.5@4985,4367 4985.54,4367.54 C11.2@4985.54,4446 C15.1@4985.54,4528
NetC12_2: C12.2 D4.1 R19.2 R20.1 U1.1 | length 588.8
  Top Layer w12: U1.1@3811.13,4443.55 3896.02,4443.55 C12.2@3993.46,4541 R20.1@4077.54,4541 4077.54,4491.46 4107.54,4461.46 R19.2@4154,4461.46 4177.46,4461.46 4244,4528 D4.1@4270,4528
NetC13_2: C13.2 R21.1 U2.1 | length 260.3
  Top Layer w12: R21.1@4367.46,4260 4406,4260 ; C13.2@4454.54,4260 4406,4260 ; U2.1@4508,4163 4450,4163 4423,4190 4423,4243 4406,4260
NetC16_1: C16.1 Q10.1 R29.2 | length 185.2
  Top Layer w12: C16.1@4193,3927.46 Q10.1@4283.74,3927.4 4300.54,3944.2 R29.2@4300.54,4015
NetC17_1: C17.1 Q11.1 R30.2 | length 202
  Top Layer w12: Q11.1@3855.26,3832.6 3855.32,3832.54 C17.1@3938,3832.54 3979.75,3832.54 R30.2@4034.54,3887.32
NetC18_1: C18.1 Q13.1 R31.2 | length 178.7
  Top Layer w12: Q13.1@3855.86,4011 R31.2@4034.54,4011
NetD1_2: D1.2 R10.2 | length 128.3
  Top Layer w12: D1.2@1217.6,4441 1217.6,4436.87 1252,4402.47 1252,4371.46 R10.2@1283.46,4340
NetD1_b2_2: D1_b2.2 R10_b2.2 | length 128.3
  Top Layer w12: D1_b2.2@1217.6,4001 1217.6,3996.87 1252,3962.47 1252,3931.46 R10_b2.2@1283.46,3900
NetD1_b3_2: D1_b3.2 R10_b3.2 | length 128.3
  Top Layer w12: D1_b3.2@1217.6,3561 1217.6,3556.87 1252,3522.47 1252,3491.46 R10_b3.2@1283.46,3460
NetD1_b4_2: D1_b4.2 R10_b4.2 | length 128.3
  Top Layer w12: D1_b4.2@1217.6,3121 1217.6,3116.87 1252,3082.47 1252,3051.46 R10_b4.2@1283.46,3020
NetD1_b5_2: D1_b5.2 R10_b5.2 | length 128.3
  Top Layer w12: D1_b5.2@1217.6,2681 1217.6,2676.87 1252,2642.47 1252,2611.46 R10_b5.2@1283.46,2580
NetD1_b6_2: D1_b6.2 R10_b6.2 | length 128.3
  Top Layer w12: D1_b6.2@1217.6,2241 1217.6,2236.87 1252,2202.47 1252,2171.46 R10_b6.2@1283.46,2140
NetD1_b7_2: D1_b7.2 R10_b7.2 | length 128.3
  Top Layer w12: D1_b7.2@1217.6,1801 1217.6,1796.87 1252,1762.47 1252,1731.46 R10_b7.2@1283.46,1700
NetD1_b8_2: D1_b8.2 R10_b8.2 | length 128.3
  Top Layer w12: D1_b8.2@1217.6,1361 1217.6,1356.87 1252,1322.47 1252,1291.46 R10_b8.2@1283.46,1260
NetD1_b9_2: D1_b9.2 R10_b9.2 | length 128.3
  Top Layer w12: D1_b9.2@1217.6,921 1217.6,916.87 1252,882.47 1252,851.46 R10_b9.2@1283.46,820
NetD1_b10_2: D1_b10.2 R10_b10.2 | length 128.3
  Top Layer w12: D1_b10.2@1217.6,481 1217.6,476.87 1252,442.47 1252,411.46 R10_b10.2@1283.46,380